# Allegro board MB1045.brd (continued)
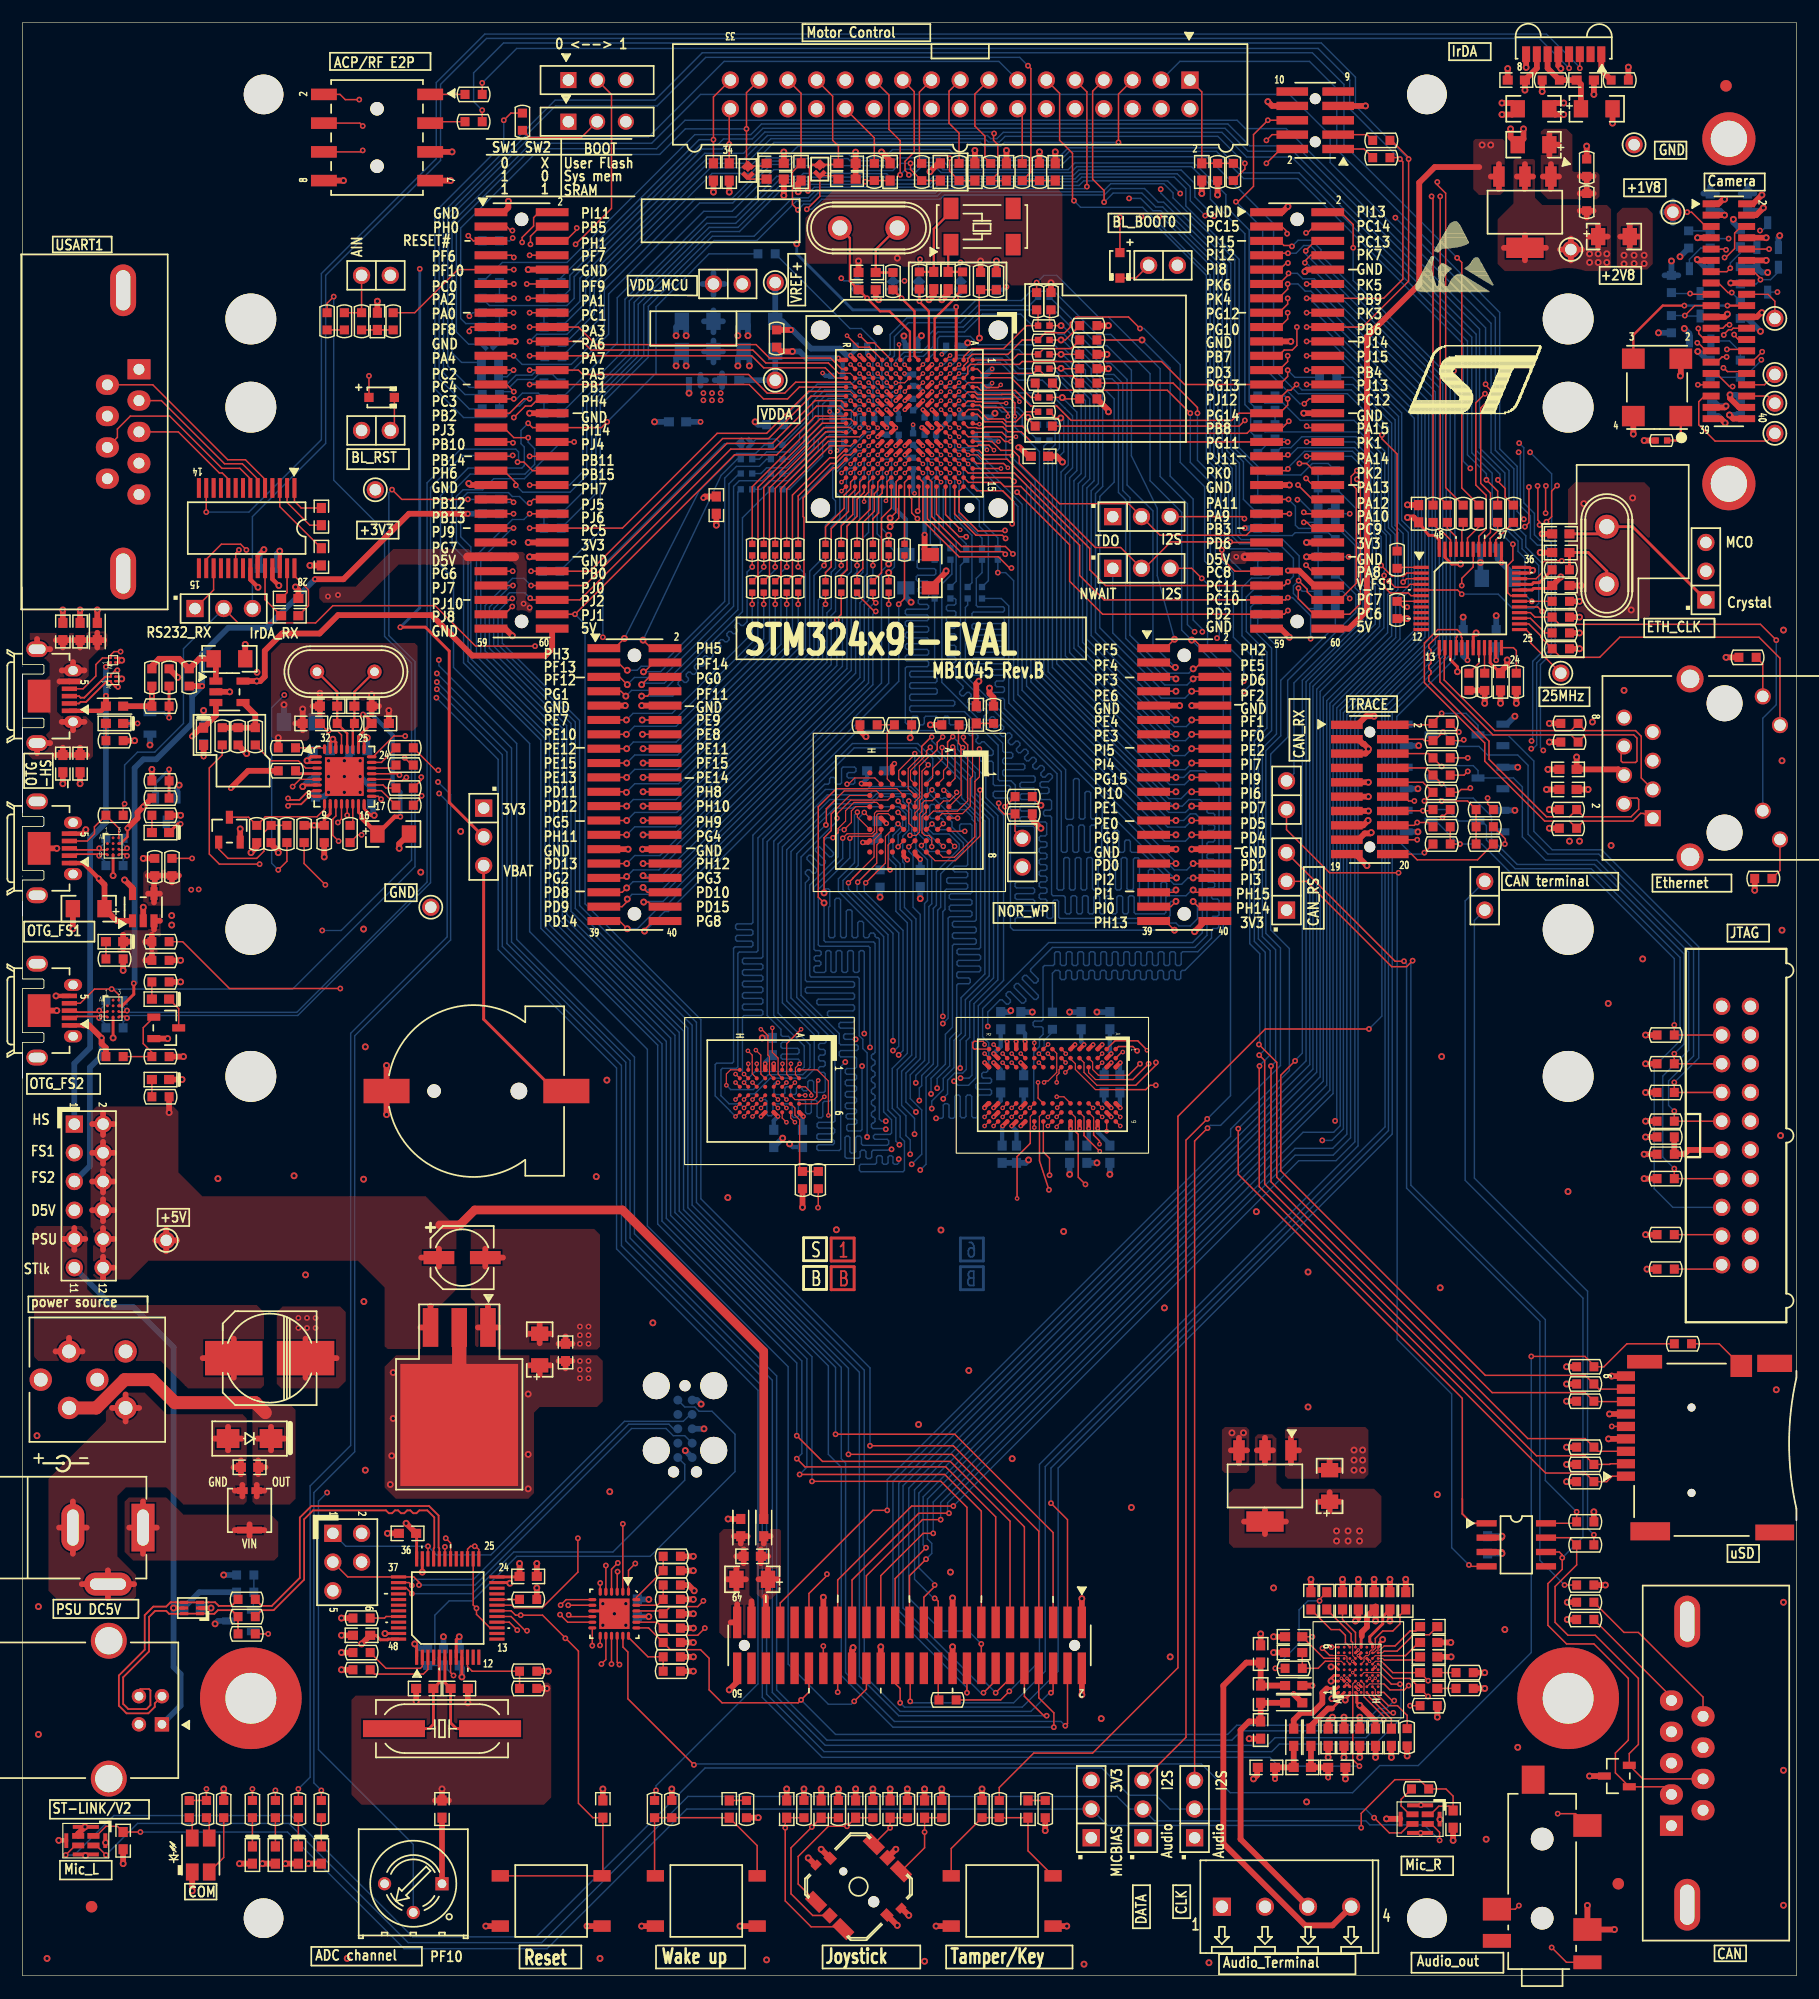
[diagram p0: board, top side]
## Routing (per net, layer and track width the routed paths; a pad name or vN(x,y) marks a point on that pad's centre or on a via; arc(x,y) is an arc through that point) (continued)
D26: length 117.1
  TOP w0.127: v1(98.55,81.79) 98.17,82.17 96.9,82.17 96.67,81.94 U10.A1 ; CN12.33 v4(102.03,97.08)
  L4_SIG w0.102: v1(98.55,81.79) 98.55,86.46 104.6,92.51 104.6,98.78 104.47,98.91 104.22,98.91 104.09,98.78 104.09,97.87 103.96,97.74 103.07,97.74 102.95,97.61 102.95,97.21 102.82,97.08 v4(102.03,97.08)
  BOTTOM w0.127: R275.1 84.84,124.08 84.33,123.57 84.33,121.18 84.45,121.06 86.69,121.06 86.82,120.93 86.82,120.72 86.69,120.59 84.07,120.59 83.95,120.46 83.95,120.21 84.07,120.08 86.69,120.08 86.82,119.96 86.82,119.7 86.69,119.58 84.07,119.58 83.95,119.45 83.95,119.19 84.07,119.07 86.69,119.07 86.82,118.94 86.82,118.69 86.69,118.56 84.07,118.56 83.95,118.43 83.95,118.18 84.07,118.05 86.69,118.05 86.82,117.92 86.82,117.67 86.69,117.54 84.1,117.54 83.97,117.42 83.97,117.16 84.1,117.04 86.69,117.04 86.82,116.91 86.82,116.65 86.69,116.53 84.1,116.53 83.97,116.4 83.97,116.15 84.1,116.02 86.69,116.02 86.82,115.89 86.82,115.64 86.69,115.51 84.07,115.51 83.95,115.38 83.95,115.13 84.07,115 86.69,115 86.82,114.88 86.82,114.62 86.69,114.5 86.13,114.5 86,114.37 86,114.11 86.13,113.99 86.69,113.99 86.82,113.86 86.82,113.61 86.69,113.48 85.9,113.48 85.78,113.35 85.78,113.1 85.9,112.97 86.69,112.97 86.82,112.84 86.82,112.06 92.23,106.65 92.23,102.39 92.35,102.26 92.79,102.26 92.92,102.39 92.92,105.74 93.05,105.87 93.3,105.87 93.43,105.74 93.43,102.41 93.56,102.29 93.81,102.29 93.94,102.41 93.94,104.6 94.06,104.72 94.32,104.72 94.45,104.6 94.45,102.41 94.57,102.29 94.83,102.29 94.95,102.41 94.95,103.58 95.08,103.71 95.33,103.71 95.46,103.58 95.46,102.41 95.59,102.29 96.6,102.29 101.8,97.08 v4(102.03,97.08)
D27: length 112.7
  TOP w0.102: v2(95.46,81.54) U10.C2
  TOP w0.127: CN12.34 v4(103.5,97.08)
  L4_SIG w0.102: v4(103.5,97.08) 103.5,96.75 103.28,96.52 101.53,96.52 101.1,96.95 100.96,96.95 100.81,96.8 100.81,96.66 101.26,96.22 101.26,96.07 101.11,95.93 100.97,95.93 100.53,96.37 100.38,96.37 100.24,96.23 100.24,96.08 100.68,95.64 100.68,95.5 100.54,95.35 100.39,95.35 99.95,95.8 99.81,95.8 99.66,95.65 99.66,95.51 100.11,95.07 100.11,94.92 99.96,94.78 99.82,94.78 99.38,95.22 99.23,95.22 99.09,95.08 99.09,94.93 99.53,94.49 99.53,94.35 99.39,94.2 99.24,94.2 98.8,94.65 98.66,94.65 98.51,94.5 98.51,94.36 98.96,93.92 98.96,93.77 98.81,93.63 98.67,93.63 98.23,94.07 98.08,94.07 97.94,93.93 97.94,93.78 98.38,93.34 98.38,93.2 98.24,93.05 98.09,93.05 97.65,93.5 97.51,93.5 97.36,93.35 97.36,93.21 97.8,92.77 97.8,92.62 97.66,92.48 97.52,92.48 97.08,92.92 96.93,92.92 96.79,92.78 96.79,92.63 97.23,92.19 97.23,92.05 97.09,91.9 96.94,91.9 96.5,92.35 96.36,92.35 96.21,92.2 96.21,92.06 96.65,91.62 96.65,91.47 96.51,91.33 96.37,91.33 95.93,91.77 95.78,91.77 95.64,91.63 95.64,91.48 96.08,91.04 96.08,90.9 95.94,90.75 95.94,90.4 95.82,90.28 94.77,90.28 94.67,90.18 94.67,89.97 94.77,89.87 95.83,89.87 95.94,89.77 95.94,89.57 95.83,89.47 94.77,89.47 94.67,89.37 94.67,89.16 94.77,89.06 95.83,89.06 95.94,88.96 95.94,88.76 95.83,88.65 94.77,88.65 94.67,88.55 94.67,88.35 94.77,88.25 95.83,88.25 95.94,88.15 95.94,87.94 95.83,87.84 94.77,87.84 94.67,87.74 94.67,87.54 94.77,87.43 95.83,87.43 95.94,87.33 95.94,87.13 95.83,87.03 94.77,87.03 94.67,86.93 94.67,86.72 94.77,86.62 95.83,86.62 95.94,86.52 95.94,86.32 95.83,86.22 94.86,86.22 94.74,86.1 94.74,85.93 94.86,85.81 95.83,85.81 95.94,85.71 95.94,82.25 95.46,81.77 v2(95.46,81.54)
  BOTTOM w0.127: R289.1 83.57,121.21 83.36,121.01 83.36,114.96 91.85,106.48 91.85,99.47 91.97,99.34 92.24,99.34 92.36,99.47 92.36,101.63 92.49,101.75 92.74,101.75 92.87,101.63 92.87,99.47 93,99.34 93.25,99.34 93.38,99.47 93.38,101.63 93.51,101.75 93.76,101.75 93.89,101.63 93.89,99.47 94.01,99.34 94.27,99.34 94.4,99.47 94.4,101.63 94.52,101.75 94.78,101.75 94.9,101.63 94.9,99.47 95.03,99.34 95.28,99.34 95.41,99.47 95.41,101.63 95.54,101.75 95.79,101.75 95.92,101.63 95.92,99.47 96.05,99.34 96.3,99.34 96.43,99.47 96.43,101.17 96.55,101.3 96.81,101.3 96.94,101.17 96.94,99.47 97.06,99.34 97.32,99.34 97.44,99.47 97.44,100.3 97.57,100.43 97.82,100.43 97.95,100.3 97.95,99.47 98.08,99.34 98.98,99.34 101.8,96.52 102.49,96.52 103.05,97.08 v4(103.5,97.08)
D28: length 116
  TOP w0.127: U10.B1 96.6,82.68 98.6,82.68 99.42,81.86 v2(99.42,81.84) ; CN12.22 v4(103.38,104.7)
  L4_SIG w0.102: v4(103.38,104.7) 103.73,104.7 103.86,104.57 103.86,102.52 103.96,102.41 105.32,102.41 105.44,102.3 105.44,102.13 105.32,102.01 103.96,102.01 103.86,101.91 103.86,101.7 103.96,101.6 105.31,101.6 105.41,101.5 105.41,101.3 105.31,101.2 103.96,101.2 103.86,101.09 103.86,100.79 103.99,100.66 105.23,100.66 105.36,100.53 105.36,86.66 105.23,86.54 105.02,86.54 104.92,86.64 104.92,91.5 104.8,91.62 104.63,91.62 104.51,91.5 104.51,86.64 104.41,86.54 104.21,86.54 104.1,86.64 104.1,90.69 103.98,90.81 103.82,90.81 103.7,90.69 103.7,86.64 103.6,86.54 103.39,86.54 103.29,86.64 103.29,89.85 103.17,89.97 103,89.97 102.88,89.85 102.88,86.64 102.78,86.54 102.58,86.54 102.48,86.64 102.48,89.06 102.36,89.18 102.19,89.18 102.07,89.06 102.07,86.64 101.97,86.54 101.77,86.54 101.67,86.64 101.67,88.25 101.55,88.37 101.38,88.37 101.26,88.25 101.26,86.64 101.16,86.54 100.95,86.54 100.85,86.64 100.85,87.4 100.75,87.5 100.55,87.5 100.45,87.4 100.45,86.66 100.32,86.54 99.54,86.54 99.42,86.41 v2(99.42,81.84)
  BOTTOM w0.127: R247.1 90.3,135.25 90.3,115.16 101.37,104.09 102.44,104.09 103.05,104.7 v4(103.38,104.7)
D29: length 114.9
  TOP w0.102: 97.73,79.63 95.12,79.63 94.61,80.14 94.61,80.78 U10.D2
  TOP w0.127: CN12.18 v4(103.38,107.24) ; v1(98.81,80.64) 97.79,79.63 97.73,79.63
  L4_SIG w0.102: v1(98.81,80.64) 98.81,75.18 98.93,75.06 99.14,75.06 99.26,75.18 99.26,79.65 99.44,79.83 100.84,79.83 100.97,79.96 100.97,81.48 101.09,81.61 101.24,81.61 101.34,81.51 101.34,79.93 101.44,79.83 101.64,79.83 101.75,79.93 101.75,81.51 101.85,81.61 102.05,81.61 102.15,81.51 102.15,79.93 102.25,79.83 102.46,79.83 102.56,79.93 102.56,81.51 102.66,81.61 102.86,81.61 102.96,81.51 102.96,79.93 103.07,79.83 103.27,79.83 103.37,79.93 103.37,81.51 103.47,81.61 103.68,81.61 103.78,81.51 103.78,79.93 103.88,79.83 104.08,79.83 104.18,79.93 104.18,81.51 104.29,81.61 104.49,81.61 104.59,81.51 104.59,79.93 104.69,79.83 104.9,79.83 105,79.93 105,81.51 105.1,81.61 105.3,81.61 105.4,81.51 105.4,79.93 105.5,79.83 105.71,79.83 105.81,79.93 105.81,81.51 105.91,81.61 106.27,81.61 106.4,81.74 106.4,105.66 104.83,107.24 v4(103.38,107.24)
  BOTTOM w0.127: R237.1 91,139.38 91,139.25 92,138.25 92,138.25 92.46,137.8 92.46,133.6 91.82,132.97 91.82,116.38 101.55,106.65 102.79,106.65 v4(103.38,107.24)
D30: length 114.2
  TOP w0.102: 97.73,79.25 94.87,79.25 94.26,79.86 U10.D3
  TOP w0.127: v1(99.57,80.64) 98.17,79.25 97.73,79.25 ; CN12.20 v4(103.38,105.97)
  L4_SIG w0.102: v1(99.57,80.64) 100.08,80.14 100.53,80.14 100.66,80.26 100.66,81.17 100.53,81.3 100.23,81.3 100.13,81.4 100.13,84.05 100.25,84.18 100.59,84.18 100.69,84.07 100.69,82.02 100.79,81.92 101,81.92 101.1,82.02 101.1,84.07 101.2,84.18 101.4,84.18 101.5,84.07 101.5,82.02 101.61,81.92 101.81,81.92 101.91,82.02 101.91,84.07 102.01,84.18 102.22,84.18 102.32,84.07 102.32,82.02 102.42,81.92 102.62,81.92 102.72,82.02 102.72,84.07 102.83,84.18 103.03,84.18 103.13,84.07 103.13,82.02 103.23,81.92 103.43,81.92 103.54,82.02 103.54,84.07 103.64,84.18 103.84,84.18 103.94,84.07 103.94,82.02 104.04,81.92 104.25,81.92 104.35,82.02 104.35,84.07 104.45,84.18 104.65,84.18 104.76,84.07 104.76,82.02 104.86,81.92 105.06,81.92 105.16,82.02 105.16,84.07 105.26,84.18 105.49,84.18 105.61,84.05 105.61,82.14 105.74,82.02 105.94,82.02 106.07,82.14 106.07,105.38 105.49,105.97 v4(103.38,105.97)
  BOTTOM w0.127: R241.1 91.06,138.05 91.06,137.79 91.68,137.17 91.68,135.06 91.06,134.44 91.06,115.7 101.42,105.33 102.74,105.33 v4(103.38,105.97)
D31: length 114.4
  TOP w0.102: 97.73,78.74 95,78.74 93.85,79.88 93.85,80.75 U10.E2
  TOP w0.127: v1(100.21,80.76) 100.21,80.53 98.42,78.74 97.73,78.74 ; CN12.21 v4(101.98,104.7)
  L4_SIG w0.102: v1(100.21,80.76) 100.2,80.76 99.8,81.17 99.8,86.06 99.9,86.16 100.21,86.16 100.31,86.06 100.31,84.58 100.41,84.48 100.62,84.48 100.72,84.58 100.72,86.06 100.82,86.16 101.02,86.16 101.13,86.06 101.13,84.58 101.23,84.48 101.43,84.48 101.53,84.58 101.53,86.06 101.63,86.16 101.84,86.16 101.94,86.06 101.94,84.58 102.04,84.48 102.24,84.48 102.34,84.58 102.34,86.06 102.45,86.16 102.65,86.16 102.75,86.06 102.75,84.58 102.85,84.48 103.06,84.48 103.16,84.58 103.16,86.06 103.26,86.16 103.46,86.16 103.56,86.06 103.56,84.58 103.67,84.48 103.87,84.48 103.97,84.58 103.97,86.06 104.07,86.16 104.28,86.16 104.38,86.06 104.38,84.58 104.48,84.48 104.68,84.48 104.78,84.58 104.78,86.06 104.88,86.16 105.11,86.16 105.23,86.03 105.23,84.61 105.36,84.48 105.61,84.48 105.74,84.61 105.74,102.67 105.64,102.77 104.29,102.77 104.19,102.87 104.19,103.07 104.29,103.18 105.64,103.18 105.74,103.28 105.74,103.48 105.64,103.58 104.29,103.58 104.19,103.68 104.19,103.89 104.29,103.99 105.64,103.99 105.74,104.09 105.74,104.29 105.64,104.4 104.29,104.4 104.19,104.5 104.19,104.7 104.29,104.8 105.64,104.8 105.74,104.9 105.74,105.11 105.56,105.28 102.04,105.28 101.98,105.22 v4(101.98,104.7)
  BOTTOM w0.127: R244.1 91.3,136.66 91.3,135.39 90.68,134.77 90.68,115.32 101.35,104.65 101.93,104.65 v4(101.98,104.7)
E5V: length 13.6
  TOP w0.508: 4.57,65.15 4.57,66.12 ; 4.57,65.15 5.54,65.15 ; 4.57,65.15 4.57,64.19 ; 4.57,65.15 3.61,65.15 ; 2.91,55.21 L3.3 ; L3.3 5.3,55.21 ; L3.3 4.1,56.4 ; 18.67,52.88 C54.1 ; C54.1 18.67,56.34 ; C54.1 15.93,54.61
I2C1_SCL_C: length 5.6
  TOP w0.127: CN5.13 150.69,150.69 v1(151,151)
  BOTTOM w0.127: v1(151,151) 151,151.46 151.89,152.35 R205.1 153.27,152.91 TR1.1
I2C1_SDA_C: length 5.8
  TOP w0.127: v1(153.67,149.99) 153.67,150.11 153.09,150.69 CN5.14
  BOTTOM w0.127: TR2.1 155.25,150.68 154.56,149.99 v1(153.67,149.99) 153.29,149.61 R209.1
LCD_B0: length 169.8
  TOP w0.127: U3.B10 83.63,135.27 84.43,135.27 84.51,135.36 85.44,135.36 85.88,134.91 v2(85.89,134.91) ; v1(112.65,140.72) 112.14,140.21 111.86,140.21 111.1,139.45 CN7.27 ; CN20.21 80.96,33.12 80.71,33.37 v1(80.64,33.37)
  L4_SIG w0.102: v2(85.89,134.91) 87.62,134.91 87.86,134.67 88.42,134.67 89,135.25 94.41,135.25 98.48,139.32 108.58,139.32 109.98,140.72 v1(112.65,140.72)
  BOTTOM w0.127: v1(80.64,33.37) 80.55,33.37 78.87,35.05 78.87,42.96 115.01,79.11 115.01,113.08 120.7,118.77 120.7,122.15 121.36,122.81 121.36,127.46 120.78,128.04 120.78,136.94 117.48,140.24 113.13,140.24 v1(112.65,140.72)
LCD_B1: length 168.9
  TOP w0.127: v2(87.35,135.68) 86.85,135.68 86.44,136.09 83.62,136.09 83.22,136.49 U3.B9 ; v1(80.64,34.54) 80.64,34.42 79.69,33.46 CN20.23 ; CN7.26 v1(113.54,140.72)
  L4_SIG w0.102: v1(113.54,140.72) 112.9,141.35 110.11,141.35 108.46,139.7 98.25,139.7 94.22,135.68 v2(87.35,135.68)
  BOTTOM w0.127: v1(113.54,140.72) 117.64,140.72 121.06,137.29 121.06,128.17 121.62,127.61 121.62,122.58 121.06,122.02 121.06,118.49 115.32,112.75 115.32,78.75 79.25,42.68 79.25,36.07 80.64,34.67 v1(80.64,34.54)
LCD_B2: length 174.1
  TOP w0.127: U3.C9 v2(82.81,136.09) ; CN20.25 78.42,35.37 v1(79.88,36.83) ; CN7.20 v1(113.54,144.53)
  L4_SIG w0.102: v2(82.81,136.09) 84.75,136.09 87.22,138.56 93.34,138.56 96.01,141.22 107.31,141.22 111.12,145.03 113.03,145.03 v1(113.54,144.53)
  BOTTOM w0.127: v1(113.54,144.53) 115.62,144.53 121.95,138.2 121.95,128.7 122.81,127.84 122.81,122.66 121.79,121.64 121.79,118.21 115.87,112.29 115.87,78.01 80.01,42.15 80.01,38.61 80.39,38.23 80.39,37.34 v1(79.88,36.83)
LCD_B3: length 174.2
  TOP w0.127: CN7.22 v1(113.54,143.26) ; U3.D10 v2(82.01,135.29) ; CN20.27 77.15,35.12 v1(79.88,37.85)
  L4_SIG w0.102: v1(113.54,143.26) 112.9,143.89 110.87,143.89 107.82,140.84 96.27,140.84 92.58,137.16 86.36,137.16 84.93,135.73 82.45,135.73 v2(82.01,135.29)
  BOTTOM w0.127: v1(79.88,37.85) 79.63,38.1 79.63,42.34 115.6,78.31 115.6,112.52 121.41,118.34 121.41,121.74 122.53,122.86 122.53,127.64 121.67,128.5 121.67,137.89 116.3,143.26 v1(113.54,143.26)
LCD_B4: length 182.1
  TOP w0.127: CN20.29 75.88,35.37 79.63,39.12 v1(80.52,39.12) ; CN7.16 v1(113.54,147.07) ; U3.D8 v2(82.01,136.89)
  L4_SIG w0.102: v1(113.54,147.07) 112.9,147.7 111,147.7 108.46,145.16 95.89,145.16 92.2,141.48 90.3,141.48 89.28,140.46 87.38,140.46 86.74,139.83 86.26,139.83 85.17,138.73 85.17,137.24 84.73,136.8 83.62,136.8 83.13,137.29 82.41,137.29 v2(82.01,136.89)
  BOTTOM w0.127: v1(80.52,39.12) 80.52,41.88 113.23,74.59 115.93,74.59 116.51,75.17 116.51,111.91 123.39,118.8 123.39,138.02 114.35,147.07 v1(113.54,147.07)
LCD_B5: length 186.1
  TOP w0.127: U3.D7 v2(81.21,138.49) ; CN20.31 74.61,35.37 79.57,40.33 v1(81.18,40.33) ; v1(111.86,149.61) 111.86,149.15 111.05,148.34 CN7.13
  L4_SIG w0.102: v2(81.21,138.49) 81.65,138.93 83.18,138.93 85.47,141.22 86.11,141.22 86.74,141.86 88.14,141.86 91.57,145.29 92.71,145.29 95.38,147.96 109.09,147.96 110.74,149.61 v1(111.86,149.61)
  BOTTOM w0.127: v1(81.18,40.33) 81.18,41.83 112.51,73.16 115.84,73.16 117.09,74.42 117.09,111.48 124,118.39 124,138.87 113.91,148.97 113.41,148.97 112.78,149.61 v1(111.86,149.61)
LCD_B6: length 185.7
  TOP w0.127: U3.C6 v2(82.81,139.29) ; CN7.12 v1(113.54,149.61) ; v1(81.92,40.89) 79.25,40.89 73.34,34.99 CN20.33
  L4_SIG w0.102: v1(113.54,149.61) 113.28,149.61 112.78,150.11 110.36,150.11 108.71,148.46 93.47,148.46 87.5,142.49 86.87,142.49 85.98,141.6 85.13,141.6 v2(82.81,139.29)
  BOTTOM w0.127: v1(113.54,149.61) 113.96,149.61 124.33,139.24 124.33,118.14 117.42,111.23 117.42,74.1 115.88,72.56 112.52,72.56 81.79,41.81 81.79,41.02 v1(81.92,40.89)
LCD_B7: length 187.9
  TOP w0.127: CN7.11 111.1,149.61 111.86,150.37 111.86,150.47 v1(111.94,150.55) ; U3.C5 v2(82.81,140.09) ; v1(82.3,41.53) 78.61,41.53 72.07,34.99 CN20.35
  L4_SIG w0.102: v2(82.81,140.09) 86.36,143.64 88.01,143.64 93.24,148.87 108.48,148.87 110.16,150.55 v1(111.94,150.55)
  BOTTOM w0.127: v1(82.3,41.53) 112.84,72.07 116.13,72.07 117.81,73.75 117.81,111.18 124.64,118.01 124.64,139.65 114.22,150.06 113.21,150.06 112.73,150.55 v1(111.94,150.55)
LCD_G0: length 184
  TOP w0.127: U3.J12 v2(77.21,133.69) ; v1(92.2,22.1) 92.39,22.29 CN20.4 ; CN6.53 v1(43.36,122.94)
  L4_SIG w0.102: v2(77.21,133.69) 77.21,133.61 77.6,133.22 77.6,127.64 75.62,125.65 75.62,123.88 74.17,122.43 63.75,122.43 62.1,124.08 50.06,124.08 49.43,123.44 43.87,123.44 v1(43.36,122.94)
  BOTTOM w0.127: v1(92.2,22.1) 91.82,22.48 77.09,22.48 72.77,26.8 72.77,45.34 72.39,45.72 72.39,53.8 58.44,67.75 58.44,83.54 48.11,93.88 48.11,110.55 41.27,117.39 41.27,121.03 43.18,122.94 v1(43.36,122.94)
LCD_G1: length 178.5
  TOP w0.127: v1(90.93,25.02) 91.12,25.21 CN20.6 ; CN6.57 42.61,120.4 v1(43.3,121.09) ; U3.H12 v2(78.01,133.69)
  L4_SIG w0.102: v2(78.01,133.69) 78.01,133.65 78.49,133.17 78.49,125.22 75.06,121.79 63.25,121.79 61.72,123.32 50.39,123.32 49.89,122.81 46.2,122.81 45.64,122.25 44.46,122.25 v1(43.3,121.09)
  BOTTOM w0.127: v1(90.93,25.02) 90.81,25.02 89.15,23.37 77.6,23.37 74.42,26.54 74.42,53.54 59.58,68.38 59.58,84.31 49.25,94.64 49.25,111 42.42,117.83 42.42,120.2 43.3,121.08 v1(43.3,121.09)
LCD_G2: length 186.9
  TOP w0.127: v1(91.19,21.97) 91.19,23.24 89.85,24.57 CN20.8 ; CN6.45 v1(43.41,128.02) ; U3.J13 v2(77.21,132.89)
  L4_SIG w0.102: v2(77.21,132.89) 77.21,130.17 73.28,126.24 73.28,124.21 73.03,123.95 64.26,123.95 62.1,126.11 46.18,126.11 44.91,127.38 44.04,127.38 v1(43.41,128.02)
  BOTTOM w0.127: v1(43.41,128.02) 43.31,128.02 40.51,125.22 40.51,116.94 47.35,110.11 47.35,93.5 57.68,83.16 57.68,67.49 71.25,53.92 71.25,46.1 72.39,44.96 72.39,26.54 76.96,21.97 v1(91.19,21.97)
LCD_G3: length 179.6
  TOP w0.127: CN6.55 43.18,121.67 v1(43.31,121.79) ; U3.H13 v2(78.01,132.89) ; CN20.10 88.58,24.7 90.3,22.99 v1(90.55,22.99)
  L4_SIG w0.102: v2(78.01,132.89) 78.01,127.41 75.95,125.35 75.95,123.57 74.55,122.17 63.5,122.17 61.98,123.7 50.24,123.7 49.66,123.11 45.92,123.11 45.31,122.5 44.02,122.5 v1(43.31,121.79)
  BOTTOM w0.127: v1(43.31,121.79) 43.18,121.79 42.04,120.65 42.04,117.7 48.87,110.87 48.87,94.39 59.2,84.05 59.2,68.15 73.99,53.36 73.99,26.47 77.47,22.99 v1(90.55,22.99)
LCD_G4: length 179.4
  TOP w0.127: CN20.12 87.31,26.29 v1(86.04,25.02) ; CN7.35 111.76,134.37 v1(111.89,134.49) ; U3.G12 v2(79.61,133.69)
  L4_SIG w0.102: v2(79.61,133.69) 79.97,133.33 80.52,133.33 80.77,133.08 80.77,131.95 81.08,131.65 86.79,131.65 87.76,130.68 94.26,130.68 98.07,134.49 v1(111.89,134.49)
  BOTTOM w0.127: v1(86.04,25.02) 85.15,25.91 84.45,25.91 77.85,32.51 77.85,43.32 114.43,79.9 114.43,113.77 119.99,119.33 119.99,122.83 119.35,123.47 119.35,127.2 119.2,127.36 119.2,133.71 117.78,135.13 112.75,135.13 112.12,134.49 v1(111.89,134.49)
LCD_G5: length 179.8
  TOP w0.127: v1(111.89,133.25) 111.73,133.1 CN7.37 ; v1(84.96,25.02) 86.04,26.1 CN20.14 ; U3.G13 v2(79.61,132.89)
  L4_SIG w0.102: v2(79.61,132.89) 79.61,132 83.21,128.4 86.87,128.4 88.09,129.62 94.34,129.62 98.32,133.6 111.53,133.6 v1(111.89,133.25)
  BOTTOM w0.127: v1(111.89,133.25) 111.89,133.34 113.35,134.81 117.59,134.81 118.9,133.5 118.9,127.28 119.05,127.13 119.05,123.39 119.61,122.83 119.61,119.53 114.1,114.02 114.1,80.17 77.47,43.54 77.47,32.26 84.71,25.02 v1(84.96,25.02)
LCD_G6: length 173.2
  TOP w0.127: U3.F12 v2(80.41,133.69) ; CN20.16 v1(84.77,29.34) ; CN7.34 v1(113.54,135.64)
  L4_SIG w0.102: v1(113.54,135.64) 113.11,136.07 110.74,136.07 110.41,135.74 97.64,135.74 94.51,132.61 85.32,132.61 83.82,134.11 80.83,134.11 v2(80.41,133.69)
  BOTTOM w0.127: v1(113.54,135.64) 117.78,135.64 119.51,133.91 119.51,127.46 119.68,127.28 119.68,123.65 120.37,122.96 120.37,119.2 114.73,113.56 114.73,79.49 78.36,43.11 78.36,33.4 81.28,30.48 83.63,30.48 v1(84.77,29.34)
LCD_G7: length 176.6
  TOP w0.127: U3.F13 v2(80.41,132.89) ; CN7.38 114.17,133.1 113.54,133.73 v1(112.9,133.73) ; CN20.18 v1(83.5,25.02)
  L4_SIG w0.102: v1(112.9,133.73) 112.62,134.01 98.22,134.01 94.39,130.18 87.76,130.18 86.74,131.19 81.03,131.19 80.41,131.81 v2(80.41,132.89)
  BOTTOM w0.127: v1(112.9,133.73) 113.54,133.73 114.17,134.37 117.53,134.37 118.62,133.27 118.62,127.18 118.75,127.05 118.75,123.19 119.23,122.71 119.23,119.66 113.82,114.25 113.82,80.57 76.96,43.71 76.96,32 83.5,25.46 v1(83.5,25.02)
LCD_R0: length 186.7
  TOP w0.127: U3.G4 v2(79.61,140.89) ; CN20.3 92.39,40.32 v1(90.93,41.78) ; CN7.5 111.12,153.42 111.53,153.01 112.06,153.01 112.14,152.93 v1(112.24,152.93)
  L4_SIG w0.102: v2(79.61,140.89) 79.8,140.89 80.24,141.33 80.56,141.33 80.85,141.62 80.85,144.29 84.87,148.31 84.88,148.31 85.49,148.92 87.96,148.92 92.28,153.24 110.16,153.24 110.46,152.93 v1(112.24,152.93)
  BOTTOM w0.127: v1(112.24,152.93) 112.78,153.47 113.97,153.47 114.81,152.64 114.81,152.15 125.88,141.08 125.88,116.97 120.78,111.86 120.78,74.73 90.93,44.89 v1(90.93,41.78)
LCD_R1: length 157
  TOP w0.127: v1(44.96,122.94) CN6.54 49.71,122.94 62.28,135.51 66.29,135.51 70.08,139.29 72.4,139.29 U3.R6 ; v1(71.88,47.88) 82.42,47.88 91.12,39.18 CN20.5
  BOTTOM w0.127: v1(71.88,47.88) 71.88,53.8 58.06,67.62 58.06,83.42 47.73,93.75 47.73,110.32 40.89,117.15 40.89,121.16 43.31,123.57 44.32,123.57 v1(44.96,122.94)
LCD_R2: length 143.8
  TOP w0.102: 71.63,137.92 72.64,137.92 U3.R7
  TOP w0.127: CN6.58 v1(48.84,120.4) 62.94,134.49 66.67,134.49 70.1,137.92 71.63,137.92 ; v1(74.93,46.86) 82.3,46.86 89.85,39.31 CN20.7
  BOTTOM w0.127: v1(48.84,120.4) 49.73,119.51 49.73,94.79 59.97,84.55 59.97,68.7 74.93,53.75 v1(74.93,46.86)
LCD_R3: length 154.7
  TOP w0.127: v1(44.88,121.82) 45.03,121.67 CN6.56 49.28,121.67 62.61,135 66.42,135 70.23,138.81 72.3,138.81 72.66,138.46 73.24,138.46 U3.P7 ; CN20.9 88.58,39.69 82.17,46.1 v1(73.03,46.1)
  BOTTOM w0.127: v1(44.88,121.82) 44.4,122.3 43.05,122.3 41.66,120.9 41.66,117.58 48.49,110.74 48.49,94.13 58.82,83.8 58.82,67.92 73.03,53.71 v1(73.03,46.1)
LCD_R4: length 175
  TOP w0.102: U3.N8 v2(74.81,136.89)
  TOP w0.127: v1(68.45,47.75) 70.73,45.48 82.03,45.48 87.31,40.2 CN20.11 ; CN6.31 42.55,136.91 43.43,136.02 v1(44.7,136.02)
  L4_SIG w0.102: v2(74.81,136.89) 74.19,136.27 73.66,136.27 73.03,135.64 71.5,135.64 69.09,133.22 55.8,133.22 52.88,136.14 44.83,136.14 v1(44.7,136.02)
  BOTTOM w0.127: v1(44.7,136.02) 44.7,135.61 45.28,135.04 45.28,133.65 44.42,132.79 39.58,132.79 37.97,131.19 37.97,126.49 38.99,125.48 38.99,116.1 45.82,109.27 45.82,92.62 56.16,82.29 56.16,66.48 68.45,54.18 v1(68.45,47.75)
LCD_R5: length 170.6
  TOP w0.127: CN20.13 86.04,40.58 81.63,44.99 69.18,44.99 v1(68.45,45.72) ; CN6.34 v1(48.77,135.64) ; U3.M9 v2(74.81,136.09)
  L4_SIG w0.102: v1(48.77,135.64) 52.76,135.64 55.68,132.72 69.6,132.72 71.12,134.24 72.39,134.24 74.04,135.89 74.55,135.89 74.75,136.09 v2(74.81,136.09)
  BOTTOM w0.127: v1(68.45,45.72) 68.9,46.17 68.9,54.36 56.54,66.73 56.54,82.4 46.2,92.74 46.2,109.4 39.38,116.22 39.38,125.84 38.35,126.87 38.35,130.81 38.95,131.41 40.68,131.41 41.66,132.38 44.37,132.38 47.62,135.64 v1(48.77,135.64)
LCD_R6: length 170.7
  TOP w0.127: U3.M14 74.8,132.08 74.8,131.19 74.41,130.8 v2(74.41,130.36) ; v1(68.71,44.32) 81.53,44.32 84.77,41.08 CN20.15 ; CN6.42 45.16,130.56 v1(44.83,130.23)
  L4_SIG w0.102: v2(74.41,130.36) 74.41,129.78 71.37,126.75 65.55,126.75 62.83,129.46 50.11,129.46 49.35,130.23 v1(44.83,130.23)
  BOTTOM w0.127: v1(44.83,130.23) 44.83,130.18 44.58,130.18 43.94,130.81 43.31,130.81 42.96,131.15 39.34,131.15 38.73,130.55 38.73,127.25 39.64,126.35 39.64,116.47 46.58,109.52 46.58,92.96 56.92,82.63 56.92,66.98 69.35,54.55 69.35,44.97 v1(68.71,44.32)
LCD_R7: length 166
  TOP w0.127: CN6.44 v1(44.83,129.29) ; v1(69.8,43.71) 81.2,43.71 83.5,41.41 CN20.17 ; U3.K12 v2(76.41,133.69)
  L4_SIG w0.102: v2(76.41,133.69) 76.41,133.65 76.83,133.22 76.83,132.21 75.95,131.32 75.95,130.43 71.37,125.86 65.18,125.86 63.78,127.25 50.93,127.25 48.9,129.29 v1(44.83,129.29)
  BOTTOM w0.127: v1(69.8,43.71) 69.8,54.74 57.3,67.24 57.3,82.91 46.96,93.24 46.96,109.86 40.13,116.69 40.13,125.6 43.31,128.78 44.32,128.78 v1(44.83,129.29)
LED_STLINK: length 38.2
  TOP w0.127: R186.1 R187.1 v1(16.26,16.51) ; v1(37.41,38.68) 37.84,38.26 U15.30
  L4_SIG w0.102: v1(16.26,16.51) 17.17,17.42 21.74,17.42 33.12,28.8 33.12,29.11 36.88,32.87 36.88,38.15 v1(37.41,38.68)
NETB2_2: length 17.9
  TOP w0.127: B2.2 55.88,8.9 R193.1 R194.1 C92.2 64.95,11.5 B2.3
NETB3_2: length 16.4
  TOP w0.127: B3.3 88.9,11.04 C98.2 R202.1 R201.1 82.11,11.25 B3.2
NETB4_1: length 43.4
  TOP w0.127: R198.2 C95.2 v1(72.9,13.21) 71.25,13.21 68.58,10.54 68.58,8.11 B4.1 ; U16.14 51.57,27.95 v1(51.18,27.56)
  L4_SIG w0.102: v1(72.9,13.21) 70.87,13.21 70.1,13.97 68.2,13.97 61.64,20.53 60.5,20.53 52.96,28.07 51.69,28.07 v1(51.18,27.56)
NETB4_2: length 39.2
  TOP w0.127: U16.16 52.57,27.71 v1(52.78,27.51) ; R197.2 C94.2 v1(69.79,13.14) 67.94,11.3 67.94,7.24 69.86,5.32 B4.2
  L4_SIG w0.102: v1(52.78,27.51) 60.21,20.08 61.33,20.08 68.26,13.14 v1(69.79,13.14)
NETB4_3: length 39
  TOP w0.127: U16.15 52.07,27.56 v1(52.07,27.56) ; R196.2 C93.2 67.44,13.84 v1(67.44,13.08) 67.44,6.6 69.72,4.32 72.37,4.32 B4.3
  L4_SIG w0.102: v1(67.44,13.08) 60.83,19.68 59.94,19.68 v1(52.07,27.56)
NETB4_4: length 43.5
  TOP w0.127: v1(51.05,29.21) 51.07,29.23 U16.13 ; B4.4 79.76,11.31 v1(79.76,12.7) C97.2 R200.2
  L4_SIG w0.102: v1(79.76,12.7) 78.11,14.35 71.12,14.35 70.48,14.99 68.33,14.99 61.98,21.34 60.71,21.34 53.34,28.7 51.56,28.7 v1(51.05,29.21)
NETB4_6: length 39
  TOP w0.127: R199.2 C96.2 v1(76.71,13.07) B4.6 ; v1(50.37,29.18) U16.12
  L4_SIG w0.102: v1(50.37,29.18) 51.11,28.45 53.09,28.45 60.65,20.89 61.85,20.89 68.26,14.48 70.23,14.48 70.87,13.84 75.94,13.84 v1(76.71,13.07)
NETBT1_1: length 23.5
  TOP w0.254: BT1.1 47.12,78.23 40.77,84.58 JP8.3
NETC2_1: length 6.9
  TOP w0.508: U1.6 134.85,168.68 R1.2 C2.1 137.79,167.26 C4.1
NETC5_1: length 10
  TOP w0.508: 137.69,159.13 R8.1 ; R8.1 138.91,159.13 ; R8.1 138.3,158.53 ; R17.2 138.91,157.61 ; R17.2 137.69,157.61 ; R17.2 138.3,158.2 ; U2.1 135.85,159.11 ; U2.1 135.14,160.21 ; U2.1 134.43,159.11 ; U2.1 135.14,158 ; C5.1 135,162.89 ; C5.1 135,160.96 ; C5.1 135.84,161.93
NETC6_2: length 49
  TOP w0.127: CN1.31 64.01,166.53 v1(64.01,163.32) 64.01,160.2 SB2.2 65.55,160.04 C6.2
  BOTTOM w0.127: v1(64.01,163.32) 58.6,163.32 56.34,161.06 45.24,161.06 38.73,154.56 38.73,146.55 39.19,146.1 40.34,146.1 R223.2
NETC7_2: length 82.4
  TOP w0.127: CN1.27 71.63,166.21 71.63,162.31 72.14,161.8 C7.2
  TOP w0.155: v1(69.44,157.84) 69.6,157.99 69.6,159.89 69.87,160.17 SB1.2 72.03,160.17 C7.2
  BOTTOM w0.127: v1(69.44,157.84) 69.67,157.84 70,158.17 80.34,158.17 80.82,158.65 93.24,158.65 93.65,159.05 101.84,159.05 102.86,158.04 102.86,156.5 107.57,151.79 107.57,135.13 109.98,132.72 113.03,132.72 114.05,133.73 115.44,133.73 R252.2
NETC8_2: length 26.9
  TOP w0.127: C8.2 v1(61.09,162.37) 61.09,166.15 CN1.33
  BOTTOM w0.127: R210.2 47.62,150.18 59.82,162.37 v1(61.09,162.37)
NETC9_2: length 34
  TOP w0.127: CN1.34 62.48,165 v1(62.48,161.99) C9.2
  BOTTOM w0.127: R215.2 41.27,147.7 48.13,147.7 48.77,148.34 48.77,150.24 60.07,161.54 61.85,161.54 62.29,161.99 v1(62.48,161.99)
